# Altium PCB PCB - v4.PcbDoc (part 2 of 2) (continued)
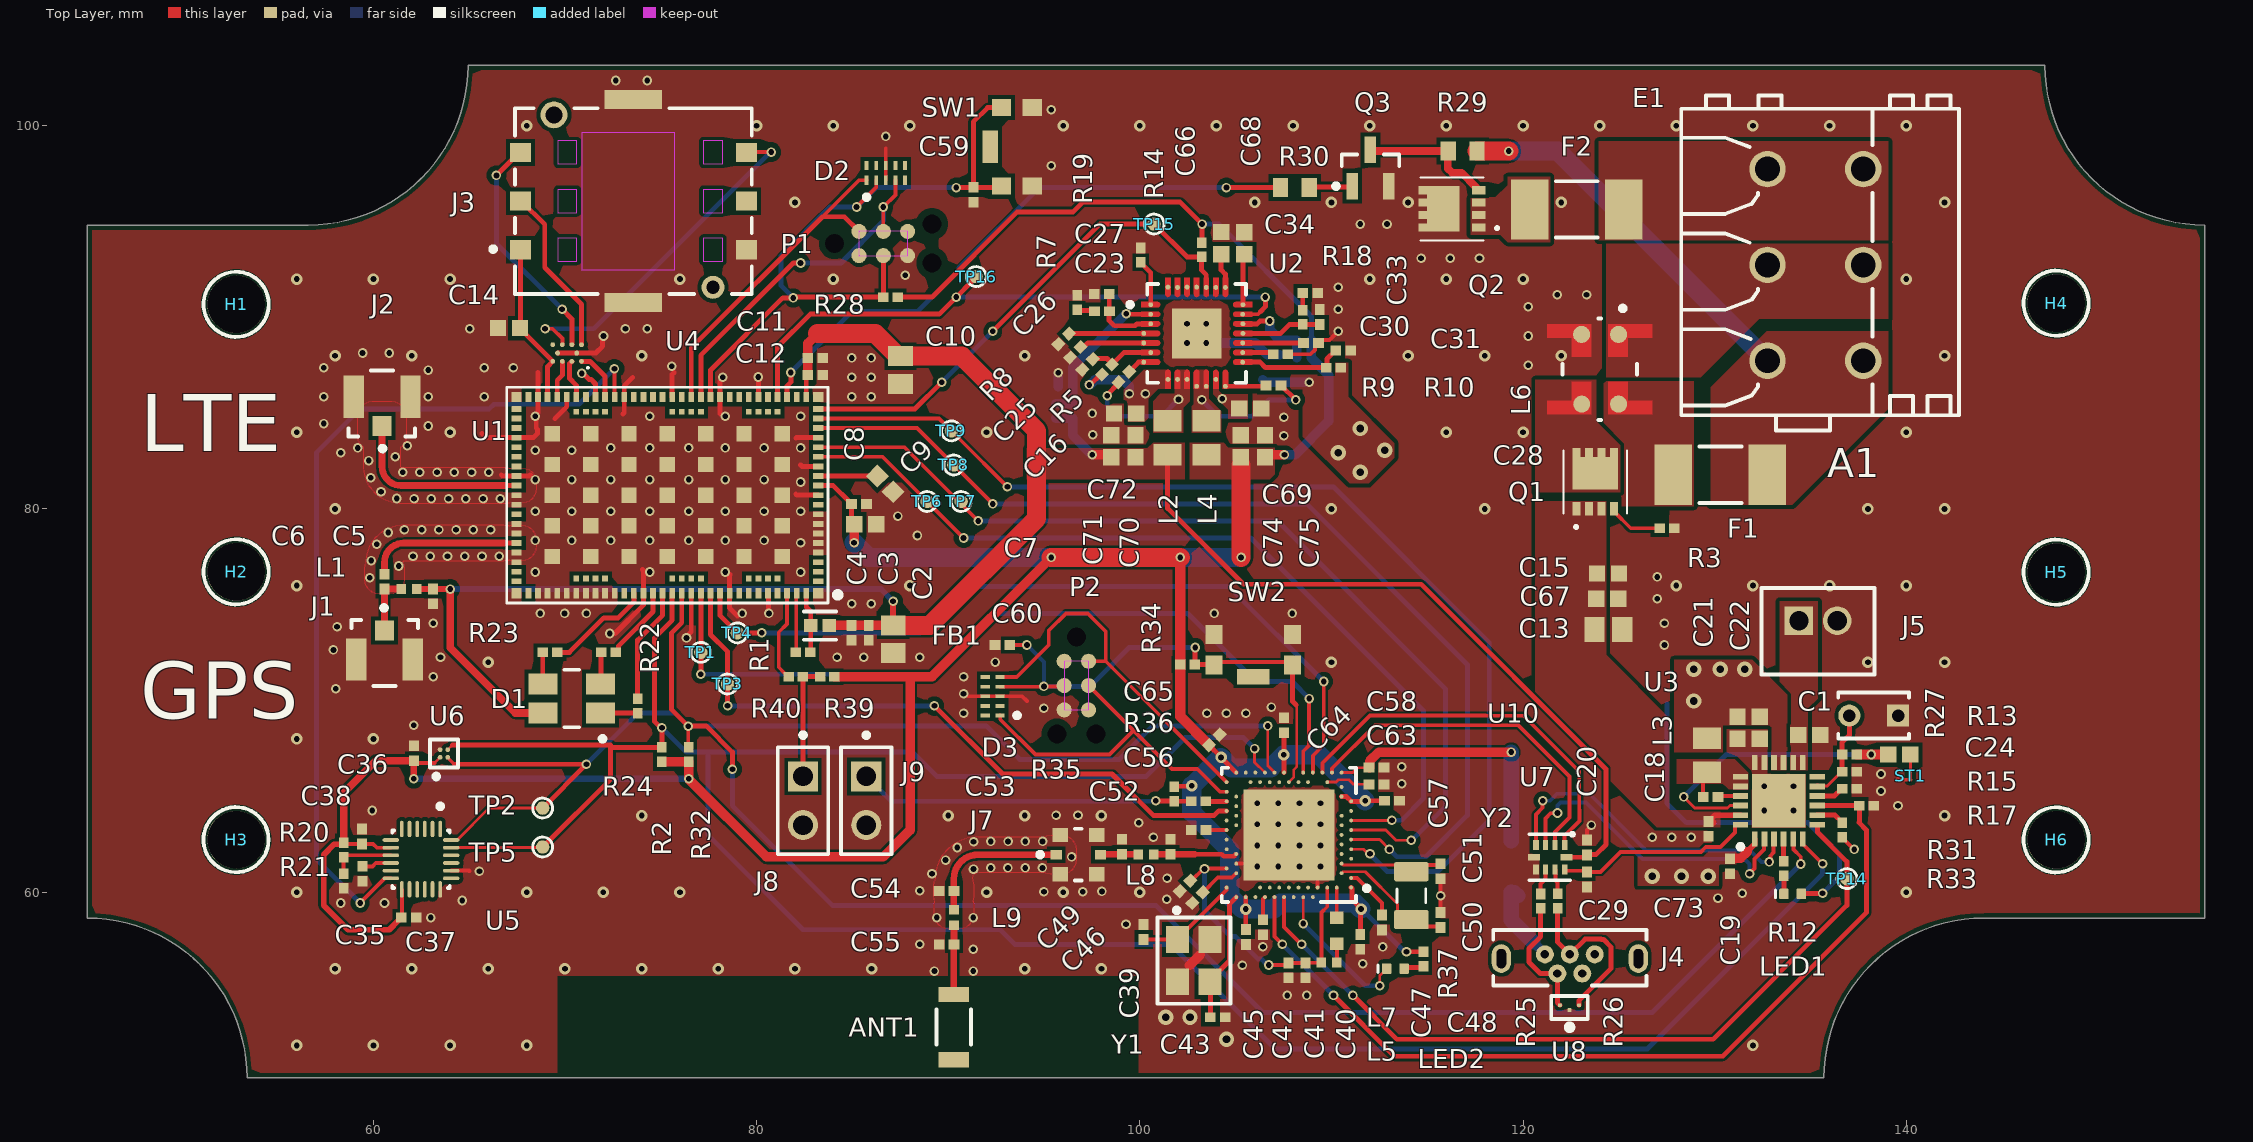
[diagram p0: Top Layer view]
## Nets (pads, with @x,y where several pads share a name; then routed paths per layer and width w, separated by ;. In a path a pad name is that pad's centre, name@x,y a point inside that pad or via, vN(x,y) a via of type N, cw(c..) or ccw(c..) an arc to the next point about the centre after c; other vN are vias at no path point) (continued)
NetC51_2: C51.2 U10.F2 Y2.2 | length 5.5
  Top Layer w0.15: U10.F2@110.541,61.481 110.554,61.481 110.611,61.425 113.815,61.425 Y2.2@114.01,61.23
  Top Layer w0.2: Y2.2@114.01,61.23 Y2.2@114.173,61.067 114.528,61.422 115.642,61.422 C51.2@115.697,61.477
NetC66_2: C66.2 U2.22 | length 1.8
  Top Layer w0.254: C66.2@104.246,93.299 104.246,92.477 104.468,92.255 U2.22@104.468,91.562
NetC68_2: C68.2 U2.21 | length 2.7
  Top Layer w0.254: U2.21@105.383,90.662 105.383,93.231 C68.2@105.449,93.297
NetD1_1: D1.1 R24.2 | length 1.9
  Top Layer w0.254: D1.1@71.858,69.354 71.864,69.348 R24.2@73.787,69.348
NetD1_3: D1.3 R23.2 | length 1.7
  Top Layer w0.254: R23.2@68.84,72.517 68.84,70.872 D1.3@68.858,70.854
NetD1_4: D1.4 R22.2 | length 1.7
  Top Layer w0.254: D1.4@71.858,70.854 71.888,70.884 R22.2@71.888,72.517
NetE1_A1: E1.A1 F2.1
NetF1_2: F1.2 L6.4
NetF2_2: F2.2 Q2.1 Q2.2 Q2.3
NetF3_1: F3.1 J4.1 | length 4.4
  Bottom Layer w0.5: 120.523,57.404 121.143,56.784 J4.1@121.143,56.753
  Bottom Layer w0.75: F3.1@119.38,60.008 119.552,60.008 F3.1@119.748,59.811
  Bottom Layer w0.8: F3.1@119.38,60.008 119.38,58.547 120.142,57.785 120.523,57.404
NetJ8_1: J8.1 R39.2 R40.2 | length 6.1
  Top Layer w0.254: J8.1@82.423,66.04 82.417,66.046 R40.2@82.417,71.247 R39.2@83.312,71.247
NetJ9_1: J9.1 R35.2 R36.1 | length 17.5
  Top Layer w0.254: v1(100.838,64.77) 100.848,64.76 101.785,64.76 101.801,64.744 102.689,64.744 R36.1@102.695,64.737
  Bottom Layer w0.254: J9.1@85.725,66.04 87.021,64.744 100.812,64.744 v1(100.838,64.77)
NetL5_1: L5.1 L7.2 | length 1
  Top Layer w0.2: L7.2@110.276,57.304 110.286,57.294 L5.1@110.286,56.318
NetL6_3: L6.3 Q1.5 Q1.6 Q1.7 Q1.8 Q1.9
NetLED1_1: LED1.1 R12.2 | length 1
  Top Layer w0.254: R12.2@133.608,60.857 133.612,60.853 133.612,59.913 LED1.1@133.616,59.909
NetLED2_1: LED2.1 U10.A10 | length 7.8
  Top Layer w0.15: v1(108.525,58.358) 108.528,58.361 108.528,59.738 U10.A10@108.531,59.741 ; v1(112.522,55.118) 112.522,55.644 112.685,55.807 112.707,55.807 112.882,55.982 LED2.1@112.882,56.004
  Bottom Layer w0.254: v1(108.525,58.358) 111.766,55.118 v1(112.522,55.118)
NetLED2_2: LED2.2 R37.2 | length 1.1
  Top Layer w0.254: LED2.2@113.792,56.007 113.849,56.064 114.732,56.064 R37.2@114.808,56.14
NetQ1_4: Q1.4 R3.2 | length 2.9
  Top Layer w0.2: Q1.4@124.744,80.01 124.744,79.87 125.62,78.994 R3.2@127.139,78.994
NetQ2_4: Q2.4 Q3.3 R29.1 | length 7.2
  Top Layer w0.4: Q3.3@112.038,98.745 112.104,98.679 R29.1@116.102,98.679 116.078,98.655 116.078,97.77 116.312,97.536 116.793,97.536 117.545,96.783 117.545,96.643 117.555,96.633 Q2.4@117.695,96.633
NetQ3_1: Q3.1 R30.2 | length 2.3
  Top Layer w0.254: R30.2@108.839,96.774 108.875,96.81 111.053,96.81 Q3.1@111.088,96.845
NetR12_1: R12.1 U3.4 | length 1.2
  Top Layer w0.254: U3.4@133.6,62.77 133.604,62.766 133.604,61.611 R12.1@133.608,61.607
NetR17_2: R17.2 U3.10 | length 1.5
  Top Layer w0.254: U3.10@135.35,65.02 136.248,65.02 136.633,65.405 R17.2@136.658,65.405
NetR19_2: R19.2 U2.1 | length 2.4
  Top Layer w0.254: R19.2@100.055,92.87 100.055,92.845 100.568,92.332 U2.1@100.568,90.662
NetR20_1: R20.1 R21.2 U5.9 | length 3.4
  Top Layer w0.2: R21.2@58.443,60.954 R20.1@58.443,61.829 ; R20.1@58.447,61.832 58.447,61.857 58.515,61.926 60.906,61.926 U5.9@60.91,61.922
NetR33_2: R33.2 U3.8 | length 1.5
  Top Layer w0.254: U3.8@135.35,64.02 136.284,64.02 136.652,63.652 R33.2@136.652,63.627
NetR40_1: R40.1 U1.100 | length 4.8
  Top Layer w0.2: U1.100@81.593,75.601 81.593,74.003 81.153,73.563 81.153,71.735 81.491,71.397 81.517,71.397 R40.1@81.667,71.247
nRF52_BOOT: R36.2 U10.W24 | length 1.1
  Top Layer w0.254: R36.2@103.445,64.737 103.449,64.741 U10.W24@104.531,64.741
nRF52_DCC: L7.1 U10.B3 | length 1.6
  Top Layer w0.2: L7.1@110.276,58.654 110.281,58.658 U10.B3@110.281,60.241
nRF52_DEC1: C47.2 U10.C1 | length 2.8
  Top Layer w0.2: U10.C1@111.031,60.741 111.344,60.741 112.649,59.436 C47.2@112.649,58.81
nRF52_DEC2: C42.2 U10.A18 | length 1.2
  Top Layer w0.2: C42.2@106.426,58.556 106.426,59.636 U10.A18@106.531,59.741
nRF52_DEC3: C46.2 U10.D23 | length 2.2
  Top Layer w0.2: C46.2@103.295,59.988 104.069,60.762 104.802,60.762 U10.D23@105.031,60.991
nRF52_DEC5: C56.2 U10.N24 | length 1.1
  Top Layer w0.2: C56.2@103.46,63.255 103.475,63.241 U10.N24@104.531,63.241
nRF52_DEC6_4: C40.2 C41.2 C49.2 L5.2 U10.B5 U10.E24 | length 15.7
  Top Layer w0.2: C49.2@102.638,60.601 102.701,60.601 103.314,61.214 v1(103.378,61.214) 103.405,61.241 U10.E24@104.531,61.241 ; v1(106.732,56.198) 107.64,56.198 C41.2@107.75,56.307 C40.2@108.639,56.307 108.644,56.313 109.471,56.313 L5.2@109.476,56.318 109.476,58.93 109.781,59.235 U10.B5@109.781,60.241
  Bottom Layer w0.254: v1(103.378,61.214) 103.378,59.055 104.751,57.682 105.002,57.682 106.165,56.519 106.344,56.519 106.665,56.198 v1(106.732,56.198)
nRF52_DECUSB: C63.2 U10.AC5 | length 2.3
  Top Layer w0.15: U10.AC5@109.781,65.741 110.251,65.741 110.376,65.866 110.918,65.866 111.155,65.629 C63.2@111.968,65.629
nRF52_RST: C60.2 D3.4 P2.3 R34.1 SW2.1 SW2.3 U10.AC13 | length 28.1
  Top Layer w0.13: U10.AC13@107.781,65.741 108.044,66.004 108.044,66.388 108.204,66.548 108.204,69.723 108.157,69.77
  Top Layer w0.2: D3.4@92.71,70.723 94.98,70.723 v1(94.996,70.739) 96.012,70.739 P2.3@96.055,70.782 ; C60.2@93.218,72.898 v1(94.107,72.898) ; SW2.3@103.827,71.888 SW2.3@103.868,71.847 104.03,72.009 107.806,72.009 SW2.1@107.968,71.847
  Top Layer w0.254: v1(102.89,72.771) 102.877,72.758 102.877,71.895 R34.1@102.864,71.882 103.821,71.882 SW2.3@103.827,71.888 ; SW2.1@107.968,71.847 107.968,69.959 108.157,69.77
  Bottom Layer w0.2: v1(94.107,72.898) 94.996,72.009 v1(94.996,70.739)
  Bottom Layer w0.254: v1(94.996,70.739) 97.409,70.739 99.441,72.771 v1(102.89,72.771)
nRF52_SWCLK: D3.1 P2.4 U10.AA24 | length 17.9
  Top Layer w0.2: D3.1@92.71,69.223 92.716,69.223 92.716,69.02 94.554,67.183 98.425,67.183 99.674,68.432 ; P2.4@97.325,70.782 99.674,68.432 ; U10.AA24@104.531,65.241 104.177,65.241 102.997,66.421 101.686,66.421 99.674,68.432
nRF52_SWDIO: D3.5 P2.2 U10.AC24 | length 19.1
  Top Layer w0.2: D3.5@92.71,71.223 93.575,71.223 95.25,72.898 95.25,73.66 96.139,74.549 97.282,74.549 98.22,73.611 98.22,72.052 ; P2.2@97.325,72.052 98.171,72.052 98.22,72.052 ; U10.AC24@104.531,65.741 98.22,72.052
nRF52_XC1: C39.2 U10.B24 Y1.1 | length 5.6
  Top Layer w0.2: C39.2@100.203,57.531 101.969,57.531 Y1.1@101.975,57.525 101.975,57.625 102.475,58.125 102.543,58.125 104.531,60.113 U10.B24@104.531,60.241
nRF52_XC2: C43.2 U10.A23 Y1.3 | length 6.7
  Top Layer w0.254: Y1.3@103.675,55.325 103.682,55.318 C43.2@103.682,53.471 ; Y1.3@103.675,55.425 104.685,56.435 104.685,59.395 U10.A23@105.031,59.741
nRF91_DEC0: C9.2 U1.13 | length 3.1
  Top Layer w0.254: U1.13@83.213,81.721 83.222,81.712 C9.2@86.309,81.712
nRF91_EN: R1.1 U1.101 | length 3.1
  Top Layer w0.2: R1.1@82.048,72.517 82.07,72.539 82.07,75.579 U1.101@82.093,75.601
nRF91_RST: C59.2 D2.2 P1.3 R28.1 SW1.1 SW1.3 U1.32 | length 36.7
  Top Layer w0.2: v1(85.217,95.758) 86.241,96.782 D2.2@86.241,97.155
  Top Layer w0.254: U1.32@77.593,85.841 77.593,87.245 81.363,91.015 v1(81.916,91.015) ; v1@81.916,91.059 R28.1@86.62,91.059 86.617,91.062 86.617,93.215 P1.3@86.614,93.218 ; v1(90.424,96.774) 90.429,96.779 91.308,96.779 C59.2@91.313,96.783 ; SW1.1@92.786,96.852 92.718,96.783 C59.2@91.313,96.783 ; SW1.3@92.786,100.952 92.779,100.944 92.054,100.944 91.313,100.203 C59.2@91.313,96.783
  Bottom Layer w0.254: v1(81.916,91.015) 81.28,91.65 81.28,93.218 83.82,95.758 v1(85.217,95.758) 86.233,96.774 v1(90.424,96.774)
nRF91_SWDCLK: D2.4 P1.4 U1.33 | length 18.2
  Top Layer w0.2: P1.4@86.614,94.488 v1(86.614,95.758) 87.241,96.385 D2.4@87.241,97.155
  Top Layer w0.254: U1.33@77.093,85.841 77.093,88.015 81.913,92.835 82.294,92.835 v1(82.296,92.837)
  Bottom Layer w0.254: v1(82.296,92.837) 84.405,92.837 86.614,95.046 v1(86.614,95.758)
nRF91_SWDIO: D2.1 P1.2 U1.34 | length 17.6
  Top Layer w0.2: 83.439,95.25 85.344,97.155 D2.1@85.741,97.155
  Top Layer w0.254: U1.34@76.593,85.841 76.593,88.404 83.439,95.25 84.582,95.25 P1.2@85.344,94.488
nRF91_VDD1: FB1.2 R1.2 U1.102 | length 3.2
  Top Layer w0.254: U1.102@82.593,75.601 82.593,74.884 82.829,74.648 82.829,72.548 R1.2@82.798,72.517
Red_LED: R23.1 U1.84 | length 5.6
  Top Layer w0.254: R23.1@69.59,72.517 70.231,72.517 72.031,74.317 72.781,74.317 73.593,75.128 U1.84@73.593,75.601
RTS_INT_MCU: TP6.1 U1.15 U10.R1 | length 45.9
  Top Layer w0.15: U10.R1@111.031,63.741 111.037,63.748 113.151,63.748 v1(113.157,63.754)
  Top Layer w0.2: U1.15@83.213,82.721 86.57,82.721 v1(90.805,78.486)
  Bottom Layer w0.254: v1(90.805,78.486) 105.791,78.486 114.808,69.469 114.808,64.897 113.665,63.754 v1(113.157,63.754)
RX_INT_MCU: TP9.1 U1.19 U10.J1 | length 57.9
  Top Layer w0.15: U10.J1@111.031,62.241 111.682,62.241 111.919,62.004 v1(112.014,62.004)
  Top Layer w0.2: U1.19@83.213,84.721 89.523,84.721 90.551,83.693 v1(93.091,81.153)
  Bottom Layer w0.254: v1(93.091,81.153) 110.109,81.153 118.237,73.025 118.237,63.754 115.57,61.087 112.903,61.087 112.014,61.976 v1(112.014,62.004)
SCL: R2.1 TP5.1 U1.88 U3.6 U5.23 U6.B2 U10.AD18 | length 139
  Top Layer w0.13: U6.B2@63.881,67.437 64.125,67.681
  Top Layer w0.15: U5.23@64.06,62.322 TP5.1@68.799,62.322 ; v1(105.99,67.492) 105.99,66.782 U10.AD18@106.531,66.241
  Top Layer w0.2: U3.6@134.6,62.77 134.6,62.52 v1(135.636,61.484)
  Top Layer w0.254: 64.125,67.681 72.38,67.681 72.38,67.558 ; TP5.1@68.834,62.357 72.38,65.903 72.38,67.558 ; R2.1@75.057,67.558 72.38,67.558 ; R2.1@75.057,67.691 v1(75.057,68.58) 74.998,68.58 74.676,68.902 74.676,73.279 75.593,74.196 U1.88@75.593,75.601
  Bottom Layer w0.254: v1(75.057,68.58) 76.327,67.31 77.455,67.31 ; v1(105.99,67.492) 105.414,68.068 102.358,68.068 100.33,66.04 89.408,66.04 88.138,67.31 77.455,67.31 ; v1(135.636,61.484) 135.636,60.96 126.492,51.816 107.061,51.816 101.6,57.277 93.472,57.277 92.71,58.039 82.423,58.039 77.455,63.007 77.455,67.31
SDA: R32.1 TP2.1 U1.89 U3.5 U5.24 U6.B1 U10.AD16 | length 136.3
  Top Layer w0.15: U6.B1@63.881,67.037 63.881,67.014 64.22,66.675 ; U5.24@64.06,62.722 64.373,62.722 66.04,64.389 TP2.1@68.834,64.389 ; v1(106.68,68.676) 106.68,66.606 U10.AD16@107.031,66.255
  Top Layer w0.2: v1(76.436,68.66) 76.436,67.57 R32.1@76.454,67.552 ; U3.5@134.1,62.77 134.123,62.747 134.123,62.219 134.495,61.847 134.495,61.47 v1(134.493,61.468)
  Top Layer w0.254: 64.22,66.675 v1(71.12,66.675) TP2.1@68.834,64.389 ; U1.89@76.093,75.601 76.093,74.061 75.565,73.533 75.565,69.531 v1(76.436,68.66) 76.454,68.678 77.372,68.678 78.74,67.31 v1(78.74,66.421)
  Bottom Layer w0.254: v1(71.12,66.675) 73.787,69.342 75.754,69.342 v1(76.436,68.66) 76.454,68.678 91.977,68.678 93.726,66.929 98.933,66.929 100.68,68.676 v1(106.68,68.676) ; v1(78.74,66.421) 78.74,64.516 83.947,59.309 100.838,59.309 106.426,53.721 126.746,53.721 v1(134.493,61.468)
SIM_1V8: C14.2 J3.C1 U1.49 U4.A4 | length 8.5
  Top Layer w0.254: J3.C1@67.674,93.527 67.674,89.391 68.055,89.01 U4.A4@69.362,87.703 69.093,87.434 U1.49@69.093,85.841
SIM_CLK: U1.46 U4.A2 | length 2.1
  Top Layer w0.254: U4.A2@70.362,87.703 70.241,87.582 70.241,86.811 70.593,86.459 U1.46@70.593,85.841
SIM_IO: U1.48 U4.A3 | length 2
  Top Layer w0.254: U1.48@69.593,85.841 69.593,86.709 69.862,86.978 U4.A3@69.862,87.703
SIM_RST: U1.43 U4.A1 | length 2.6
  Top Layer w0.254: U4.A1@70.862,87.703 71.304,87.703 71.878,87.129 71.878,87.126 72.093,86.911 U1.43@72.093,85.841
TX_INT_MCU: TP8.1 U1.18 U10.L1 | length 54.2
  Top Layer w0.15: U10.L1@111.031,62.741 112.519,62.741 v1(113.03,62.23)
  Top Layer w0.2: U1.18@83.213,84.221 88.372,84.221 90.614,81.978 v1(92.329,80.264)
  Bottom Layer w0.254: v1(92.329,80.264) 108.712,80.264 117.094,71.882 117.094,64.008 114.935,61.849 113.411,61.849 v1(113.03,62.23)
"VLEAD +": E1.A3 F1.1 R29.2 | length 19.7
  Top Layer w1: R29.2@117.602,98.679 v1(119.253,98.679)
  Bottom Layer w1: v1(119.253,98.679) 121.817,98.679 E1.A3@132.759,87.737
"VLEAD -": E1.A2 L6.1
VLiPo: C1.2 J5.1 U3.13 U3.14
VSYS: C21.2 C22.2 C69.2 C72.2 L3.2 LED1.2 R5.2 R9.2 U2.8 U2.13 U3.15 U3.16 | length 24.9
  Top Layer w0.254: v1(97.365,86.475) 97.424,86.475 97.965,87.016 R5.2@98.023,87.016 ; LED1.2@134.526,59.909 134.544,59.926 135.618,59.926 v1(135.636,59.944)
  Bottom Layer w0.254: 127.508,69.85 127.508,64.643 128.524,63.627 134.874,63.627 136.525,61.976 136.525,60.833 v1(135.636,59.944)
  Bottom Layer w0.5: v1(97.365,86.475) 97.393,86.475 97.658,86.741 99.115,86.741 99.439,86.417 99.439,86.033 v1(99.458,86.014) ; 106.426,86.741 106.553,86.614 v1(108.839,86.614)
  other v1: 104.3,85.75 100.293,86.01
  other v3: 128.905,69.977 128.905,71.628 130.302,71.628 131.572,71.628 111.506,81.915 110.363,82.931 112.776,83.058 111.506,84.201
VUSB: C19.2 C58.2 F3.2 U3.1 U10.AD2 | length 16
  Top Layer w0.15: U10.AD2@110.531,66.241 111.112,66.241 111.367,66.496 C58.2@111.968,66.496
  Top Layer w0.3: 131.699,62.103 131.699,62.119 132.1,62.52 U3.1@132.1,62.77
  Top Layer w0.5: C58.2@111.968,66.496 111.988,66.496 111.998,66.506 111.998,66.837 112.471,67.31 v1(119.38,67.31) ; C19.2@130.81,61.74 130.81,61.76 130.82,61.77 131.366,61.77 131.699,62.103
  Bottom Layer w0.8: F3.2@119.38,62.674 v1(119.38,67.31)
  other v3: 126.746,60.833 128.27,60.833 129.667,60.833
pads on no net: ANT1.2 D2.5 D2.6 D2.7 D2.9 D2.10 D3.2 D3.6 D3.7 D3.9 D3.10 H1. H2. H3. H4. H5. H6. J3.1 J3.4 J3.C6 J4.4 J4.5 J4.Shell P1. P1.1 P1.6 P2. P2.1 P2.6 SW1.5 SW2.5 U1.2 U1.3 U1.4 U1.10 U1.23 U1.26 U1.28 U1.29 U1.30 U1.35 U1.37 U1.38 U1.39 U1.40 U1.45 U1.51 U1.53 U1.54 U1.55 U1.57 U1.58 U1.59 U1.64 U1.70 U1.71 U1.73 U1.83 U1.95 U1.96 U1.97 U1.99 U1.104 U1.105 U1.106 U1.107 U1.108 U1.109 U1.110 U1.111 U1.112 U1.113 U1.114 U1.115 U1.116 U1.117 U1.118 U1.119 U1.120 U1.121 U1.122 U1.123 U1.124 U1.125 U1.126 U1.127 U2.23 U2.25 U2.26 U2.27 U2.28 U3.12 U4.C4 U5.1 U5.2 U5.3 U5.4 U5.5 U5.6 U5.7 U5.11 U5.14 U5.15 U5.16 U5.17 U5.19 U5.21 U5.22 U10.A8 U10.A12 U10.A20 U10.AB2 U10.AC9 U10.AC11 U10.AC15 U10.AC17 U10.AC19 U10.AC21 U10.AD20 U10.AD22 U10.B9 U10.B11 U10.B13 U10.B15 U10.B17 U10.B19 U10.G1 U10.H2 U10.J24 U10.K2 U10.L24 U10.M2 U10.P2 U10.P23 U10.R24 U10.T2 U10.T23 U10.U1 U10.V23 U10.Y23

## Polygon pours and split planes (outlines as drawn)
GND on Top Layer "GND_L01_P031" (solid, remove dead copper, pour order 31): 45.079,103.145 155.569,103.145 155.569,50.313 45.079,50.313
GND on Top Layer "Top Layer-GND" (solid, pour order 39): 61.15,85.593 61.335,85.516 61.493,85.394 61.615,85.236 61.692,85.051 61.718,84.853 61.718,83.803 61.692,83.605 61.615,83.42 61.493,83.262 61.396,83.187 61.396,82.286 61.406,82.207 61.411,82.196 61.418,82.187 61.427,82.18 61.438,82.175 61.517,82.165 66.885,82.165 66.91,82.162 66.935,82.163 66.984,82.154 67.034,82.15 67.102,82.137 67.131,82.127 67.203,82.137 67.743,82.137 67.941,82.111 68.126,82.034 68.284,81.912 68.406,81.754 68.483,81.569 68.509,81.371 68.509,81.071 68.483,80.873 68.406,80.688 68.284,80.53 68.126,80.408 67.941,80.331 67.743,80.305 67.203,80.305 67.131,80.315 67.102,80.305 67.034,80.292 66.984,80.288 66.935,80.279 66.91,80.28 66.885,80.277 61.55,80.277 61.5,80.277 61.45,80.27 61.4,80.277 61.35,80.277 61.044,80.317 60.851,80.369 60.565,80.487 60.392,80.587 60.147,80.775 60.077,80.846 60.006,80.916 59.818,81.161 59.718,81.334 59.6,81.62 59.548,81.813 59.508,82.119 59.508,82.169 59.501,82.219 59.508,82.269 59.508,82.319 59.508,83.187 59.411,83.262 59.289,83.42 59.212,83.605 59.186,83.803 59.186,84.853 59.212,85.051 59.289,85.236 59.411,85.394 59.569,85.516 59.754,85.593 59.952,85.619 60.952,85.619
GND on Top Layer "Top Layer-GND 1" (solid, pour order 35): 61.634,79.165 61.684,79.165 61.685,79.165 66.813,79.165 66.887,79.155 66.962,79.15 67.031,79.137 67.068,79.124 67.108,79.124 67.203,79.137 67.743,79.137 67.941,79.111 68.126,79.034 68.284,78.912 68.406,78.754 68.483,78.569 68.509,78.371 68.509,78.071 68.483,77.873 68.406,77.688 68.284,77.53 68.126,77.408 67.941,77.331 67.743,77.305 67.203,77.305 67.108,77.318 67.068,77.318 67.031,77.305 66.962,77.292 66.887,77.287 66.813,77.277 61.651,77.277 61.571,77.266 61.558,77.261 61.547,77.253 61.539,77.242 61.534,77.229 61.529,77.196 61.579,77.077 61.605,76.879 61.605,76.319 61.579,76.121 61.502,75.936 61.38,75.778 61.222,75.656 61.037,75.579 60.839,75.553 60.319,75.553 60.121,75.579 59.936,75.656 59.778,75.778 59.656,75.936 59.579,76.121 59.553,76.319 59.553,76.879 59.579,77.077 59.63,77.2 59.628,77.216 59.635,77.266 59.635,77.316 59.675,77.624 59.727,77.817 59.846,78.104 59.904,78.204 59.946,78.277 60.135,78.524 60.276,78.665 60.523,78.854 60.569,78.881 60.696,78.954 60.983,79.073 61.176,79.125 61.484,79.165 61.534,79.165 61.584,79.172
GND on Top Layer "Top Layer-GND 2" (solid, pour order 32): 96.126,62.946 96.31,62.869 96.469,62.748 96.591,62.589 96.667,62.404 96.693,62.206 96.693,61.706 96.667,61.508 96.591,61.323 96.469,61.165 96.31,61.043 96.126,60.967 95.927,60.941 95.348,60.941 95.149,60.967 95.04,61.012 91.598,61.012 91.47,60.995 91.397,60.965 91.335,60.918 91.288,60.856 91.258,60.783 91.247,60.698 91.317,60.529 91.343,60.331 91.343,59.811 91.317,59.613 91.288,59.543 91.297,59.522 91.323,59.324 91.323,58.834 91.297,58.636 91.22,58.451 91.098,58.293 90.94,58.171 90.755,58.094 90.557,58.068 90.037,58.068 89.839,58.094 89.654,58.171 89.496,58.293 89.374,58.451 89.297,58.636 89.271,58.834 89.271,59.324 89.297,59.522 89.306,59.543 89.277,59.613 89.251,59.811 89.251,60.331 89.277,60.529 89.346,60.694 89.344,60.706 89.351,60.756 89.351,60.806 89.4,61.178 89.451,61.371 89.595,61.718 89.695,61.891 89.923,62.189 89.994,62.259 90.065,62.33 90.362,62.558 90.436,62.601 90.535,62.658 90.882,62.802 91.075,62.854 91.447,62.903 91.497,62.903 91.547,62.909 91.597,62.903 91.647,62.903 91.656,62.9 95.04,62.9 95.149,62.946 95.348,62.972 95.927,62.972
"VLEAD +" on Top Layer "VLEAD_+_L01_P025" (solid, pour order 25): 129.794,80.208 134.056,80.208 139.065,85.217 139.065,89.281 132.715,89.281 129.794,86.36
GND on Top Layer "GND_L01_P015" (solid, pour order 15): 97.09,83.333 100.309,83.333 100.309,84.349 99.293,84.349 99.166,84.476 99.166,85.492 97.09,85.492
VUSB on Top Layer "VUSB_L01_P001" (solid, pour order 1): 125.984,60.325 130.221,60.325 130.221,61.387 130.29,61.456 131.126,61.456 131.126,62.103 129.667,62.103 129.413,61.849 125.984,61.849
VSYS on Top Layer "VSYS_L01_P002" (solid, pour order 2): 110.948,81.33 111.937,81.33 113.284,82.677 113.284,83.439 110.871,85.852 110.871,87.63 110.109,87.63 110.109,86.995 107.823,86.995 107.823,86.36 107.934,86.249 108.504,86.249 108.504,83.774
VSYS on Top Layer "VSYS_L01_P016" (solid, pour order 16): 99.413,84.539 100.245,84.539 100.436,84.73 100.436,85.746 100.952,86.262 101.608,86.262 101.608,87.15 101.496,87.262 100.216,87.262 99.166,86.212 99.166,84.767
VSYS on Top Layer "VSYS_L01_P008" (solid, pour order 8): 103.825,87.138 103.938,87.25 103.993,87.25 104.108,87.135 104.108,86.18 104.3,85.988 105.64,85.988 105.64,84.718 104.624,84.718 104.624,85.184 103.825,85.983
+12 on Top Layer "+12_L01_P003" (solid, remove dead copper, pour order 3): 124.333,80.391 120.65,80.391 120.65,69.723 126.973,63.4 130.302,63.4 130.302,64.262 127.635,64.262 127.635,69.088 124.333,72.39
VSYS on Top Layer "VSYS_L01_P018" (solid, pour order 18): 132.92,66.344 132.92,68.629 132.842,68.707 130.429,68.707 130.429,67.31 127.889,67.31 127.889,72.136 131.953,72.136 133.788,70.301 133.788,66.348
+3v3 on Top Layer "+3V3_L01_P011" (solid, pour order 11): 94.107,83.168 100.398,83.168 100.69,83.46 102.341,83.46 102.341,81.555 94.107,81.555
NetF2_2 on Top Layer "NETF2_2_L01_P005" (solid, pour order 5): 117.267,94.316 118.806,94.316 119.196,93.926 121.412,93.926 121.412,97.336 119.196,97.336 119.196,96.898 118.564,96.266 117.267,96.266
NetF1_2 on Top Layer "NETF1_2_L01_P028" (solid, pour order 28): 128.905,80.137 128.905,86.741 124.206,86.741 124.206,80.137
"VLEAD -" on Top Layer "VLEAD_-_L01_P024" (solid, pour order 24): 124.333,86.868 129.286,86.868 132.334,89.916 139.065,89.916 139.065,93.98 124.333,93.98
NetE1_A1 on Top Layer "NETE1_A1_L01_P023" (solid, pour order 23): 123.952,94.034 139.065,94.034 139.065,99.187 123.952,99.187
VLiPo on Top Layer "VLIPO_L01_P021" (solid, pour order 21): 134.874,66.294 134.874,69.596 135.382,70.104 135.382,75.175 133.394,75.175 133.394,70.153 133.951,69.596 133.951,66.294
BM_SW on Top Layer "BM_SW_L01_P017" (solid, pour order 17): 131.767,65.356 131.767,66.226 131.064,66.929 128.016,66.929 128.016,65.659 130.429,65.659 130.729,65.359
GND on Top Layer "GND_L01_P013" (solid, pour order 13): 104.754,83.333 107.878,83.333 107.878,86 105.897,86 105.897,84.603 105.77,84.476 104.754,84.476
+1v8 on Top Layer "+1V8_L01_P012" (solid, pour order 12): 102.595,83.46 104.373,83.46 104.627,83.206 107.04,83.206 107.04,81.809 106.786,81.555 102.595,81.555
BCK_SW1 on Top Layer "BCK_SW1_L01_P009" (solid, pour order 9): 102.608,86.262 102.608,87.15 102.496,87.262 101.94,87.262 101.828,87.15 101.828,86 101.071,86 100.69,85.619 100.69,83.968 102.265,83.968 102.265,85.289 102.608,85.632
BCK_SW2 on Top Layer "BCK_SW2_L01_P007" (solid, pour order 7): 103.608,87.15 103.496,87.262 102.94,87.262 102.828,87.15 102.828,85.471 102.722,85.365 102.722,83.968 104.246,83.968 104.246,85.111 103.608,85.749 103.608,86.262
NetL6_3 on Top Layer "NETL6_3_L01_P006" (solid, pour order 6): 123.825,86.741 123.825,84.582 125.084,83.323 125.084,80.88 120.669,80.88 120.65,80.899 120.65,86.741
VUSB on Bottom Layer "VUSB_L04_P030" (solid, pour order 30): 118.364,63.246 120.777,63.246 121.285,62.738 122.682,61.341 130.175,61.341 130.175,60.325 121.793,60.325 120.015,62.103 118.364,62.103
VSYS on Bottom Layer "VSYS_L04_P027" (solid, pour order 27): 109.347,82.804 111.697,85.153 124.46,72.39 132.207,72.39 132.207,69.215 122.936,69.215
VSYS on Bottom Layer "VSYS_L04_P029" (solid, pour order 29): 98.933,85.09 100.711,85.09 100.711,85.725 101.219,86.233 103.378,86.233 104.521,85.09 105.664,85.09 106.68,86.106 106.68,87.006 98.933,87.006
GND on Int2 (PWR) (split plane): 146.765,102.329 146.812,101.923 146.878,101.52 146.962,101.121 147.065,100.725 147.185,100.335 147.324,99.951 147.48,99.574 147.654,99.204 147.844,98.843 148.051,98.49 148.274,98.148 148.513,97.817 148.766,97.497 149.035,97.188 149.317,96.893 149.612,96.611 149.92,96.343 150.24,96.089 150.572,95.851 150.914,95.628 151.266,95.421 151.628,95.23 151.997,95.057 152.375,94.9 152.759,94.762 153.149,94.641 153.544,94.538 153.944,94.454 154.347,94.388 154.753,94.341 155.058,94.32 155.058,59.155 144.037,59.155 144.036,59.154 143.629,59.145 143.221,59.117 142.815,59.07 142.412,59.004 142.013,58.92 141.617,58.817 141.227,58.696 140.843,58.557 140.466,58.401 140.096,58.228 139.735,58.037 139.382,57.83 139.04,57.607 138.709,57.369 138.389,57.115 138.08,56.847 137.785,56.565 137.503,56.269 137.235,55.961 136.981,55.641 136.743,55.31 136.52,54.967 136.313,54.615 136.122,54.254 135.949,53.884 135.792,53.507 135.654,53.123 135.533,52.733 135.43,52.337 135.346,51.938 135.28,51.534 135.233,51.129 135.212,50.823 99.949,50.823 99.949,55.626 69.596,55.626 69.596,50.823 53.904,50.823 53.882,51.129 53.835,51.534 53.77,51.938 53.685,52.337 53.583,52.733 53.462,53.123 53.323,53.507 53.167,53.884 52.993,54.254 52.803,54.615 52.596,54.967 52.373,55.31 52.134,55.641 51.881,55.961 51.613,56.269 51.33,56.565 51.035,56.847 50.727,57.115 50.407,57.369 50.075,57.607 49.733,57.83 49.381,58.037 49.02,58.228 48.65,58.401 48.272,58.557 47.888,58.696 47.498,58.817 47.103,58.92 46.703,59.004 46.3,59.07 45.894,59.117 45.589,59.138 45.589,94.303 56.61,94.303 56.611,94.303 57.018,94.313 57.426,94.341 57.832,94.388 58.235,94.454 58.634,94.538 59.03,94.641 59.42,94.762 59.804,94.9 60.181,95.057 60.551,95.23 60.912,95.421 61.265,95.628 61.607,95.851 61.938,96.089 62.259,96.343 62.567,96.611 62.862,96.893 63.144,97.188 63.412,97.497 63.666,97.817 63.904,98.148 64.127,98.49 64.334,98.843 64.525,99.204 64.698,99.574 64.855,99.951 64.993,100.335 65.114,100.725 65.217,101.121 65.301,101.52 65.367,101.923 65.414,102.329 65.435,102.634 146.744,102.634
GND on Int1 (GND) (split plane): 146.765,102.329 146.812,101.923 146.878,101.52 146.962,101.121 147.065,100.725 147.185,100.335 147.324,99.951 147.48,99.574 147.654,99.204 147.844,98.843 148.051,98.49 148.274,98.148 148.513,97.817 148.766,97.497 149.035,97.188 149.317,96.893 149.612,96.611 149.92,96.343 150.24,96.089 150.572,95.851 150.914,95.628 151.266,95.421 151.628,95.23 151.997,95.057 152.375,94.9 152.759,94.762 153.149,94.641 153.544,94.538 153.944,94.454 154.347,94.388 154.753,94.341 155.058,94.32 155.058,59.155 144.037,59.155 144.036,59.154 143.629,59.145 143.221,59.117 142.815,59.07 142.412,59.004 142.013,58.92 141.617,58.817 141.227,58.696 140.843,58.557 140.466,58.401 140.096,58.228 139.735,58.037 139.382,57.83 139.04,57.607 138.709,57.369 138.389,57.115 138.08,56.847 137.785,56.565 137.503,56.269 137.235,55.961 136.981,55.641 136.743,55.31 136.52,54.967 136.313,54.615 136.122,54.254 135.949,53.884 135.792,53.507 135.654,53.123 135.533,52.733 135.43,52.337 135.346,51.938 135.28,51.534 135.233,51.129 135.212,50.823 99.949,50.823 99.949,55.626 69.596,55.626 69.596,50.823 53.904,50.823 53.882,51.129 53.835,51.534 53.77,51.938 53.685,52.337 53.583,52.733 53.462,53.123 53.323,53.507 53.167,53.884 52.993,54.254 52.803,54.615 52.596,54.967 52.373,55.31 52.134,55.641 51.881,55.961 51.613,56.269 51.33,56.565 51.035,56.847 50.727,57.115 50.407,57.369 50.075,57.607 49.733,57.83 49.381,58.037 49.02,58.228 48.65,58.401 48.272,58.557 47.888,58.696 47.498,58.817 47.103,58.92 46.703,59.004 46.3,59.07 45.894,59.117 45.589,59.138 45.589,94.303 56.61,94.303 56.611,94.303 57.018,94.313 57.426,94.341 57.832,94.388 58.235,94.454 58.634,94.538 59.03,94.641 59.42,94.762 59.804,94.9 60.181,95.057 60.551,95.23 60.912,95.421 61.265,95.628 61.607,95.851 61.938,96.089 62.259,96.343 62.567,96.611 62.862,96.893 63.144,97.188 63.412,97.497 63.666,97.817 63.904,98.148 64.127,98.49 64.334,98.843 64.525,99.204 64.698,99.574 64.855,99.951 64.993,100.335 65.114,100.725 65.217,101.121 65.301,101.52 65.367,101.923 65.414,102.329 65.435,102.634 146.744,102.634

## Other copper
Top Layer:
  pour cut-out: 113.538,61.722 115.697,61.722 115.697,57.912 113.552,57.912
  pour cut-out: 69.596,50.313 99.949,50.313 99.949,55.626 69.596,55.626
Int1 (GND) (plane layer: these items are gaps in the copper):
  rectangle: 69.596,50.292 99.949,55.626
Int2 (PWR) (plane layer: these items are gaps in the copper):
  rectangle: 69.596,50.292 99.949,55.626

## Silkscreen, mask and mechanical layers (free items; w line width, h text height)
Top Overlay:
  text "LTE" at 47.844,83.023 h3
  text "GPS" at 47.844,69.053 h3
Box:
  drawing of 34480 lines, arcs and shapes, not listed
Screw holes:
  circle w0.013: c52.824,90.724 r1.786
  circle w0.013: c52.824,62.734 r1.786
  circle w0.013: c52.824,76.729 r1.786
  circle w0.013: c147.824,76.729 r1.786
  circle w0.013: c147.824,90.724 r1.786
  circle w0.013: c147.824,62.734 r1.786
Board:
  the board outline again, w0.013

## Text inside footprints (layer, text, board x,y; h text height)
E1: Top Overlay "A1" at 135.89,81.661 h1.5